# Altium PCB Board.PcbDoc (part 2 of 15)
Units mil, origin at the board's own origin, x right, y up, seen from the top; angles counter-clockwise.
Board outline 6379.64 x 4143.89 mil, 4 copper layers (Top Layer, GND, VCC, Bottom Layer); 316 components, 199 nets, 1077 pads, 596 vias.
Unrouted connection lines stored in the file: 268.
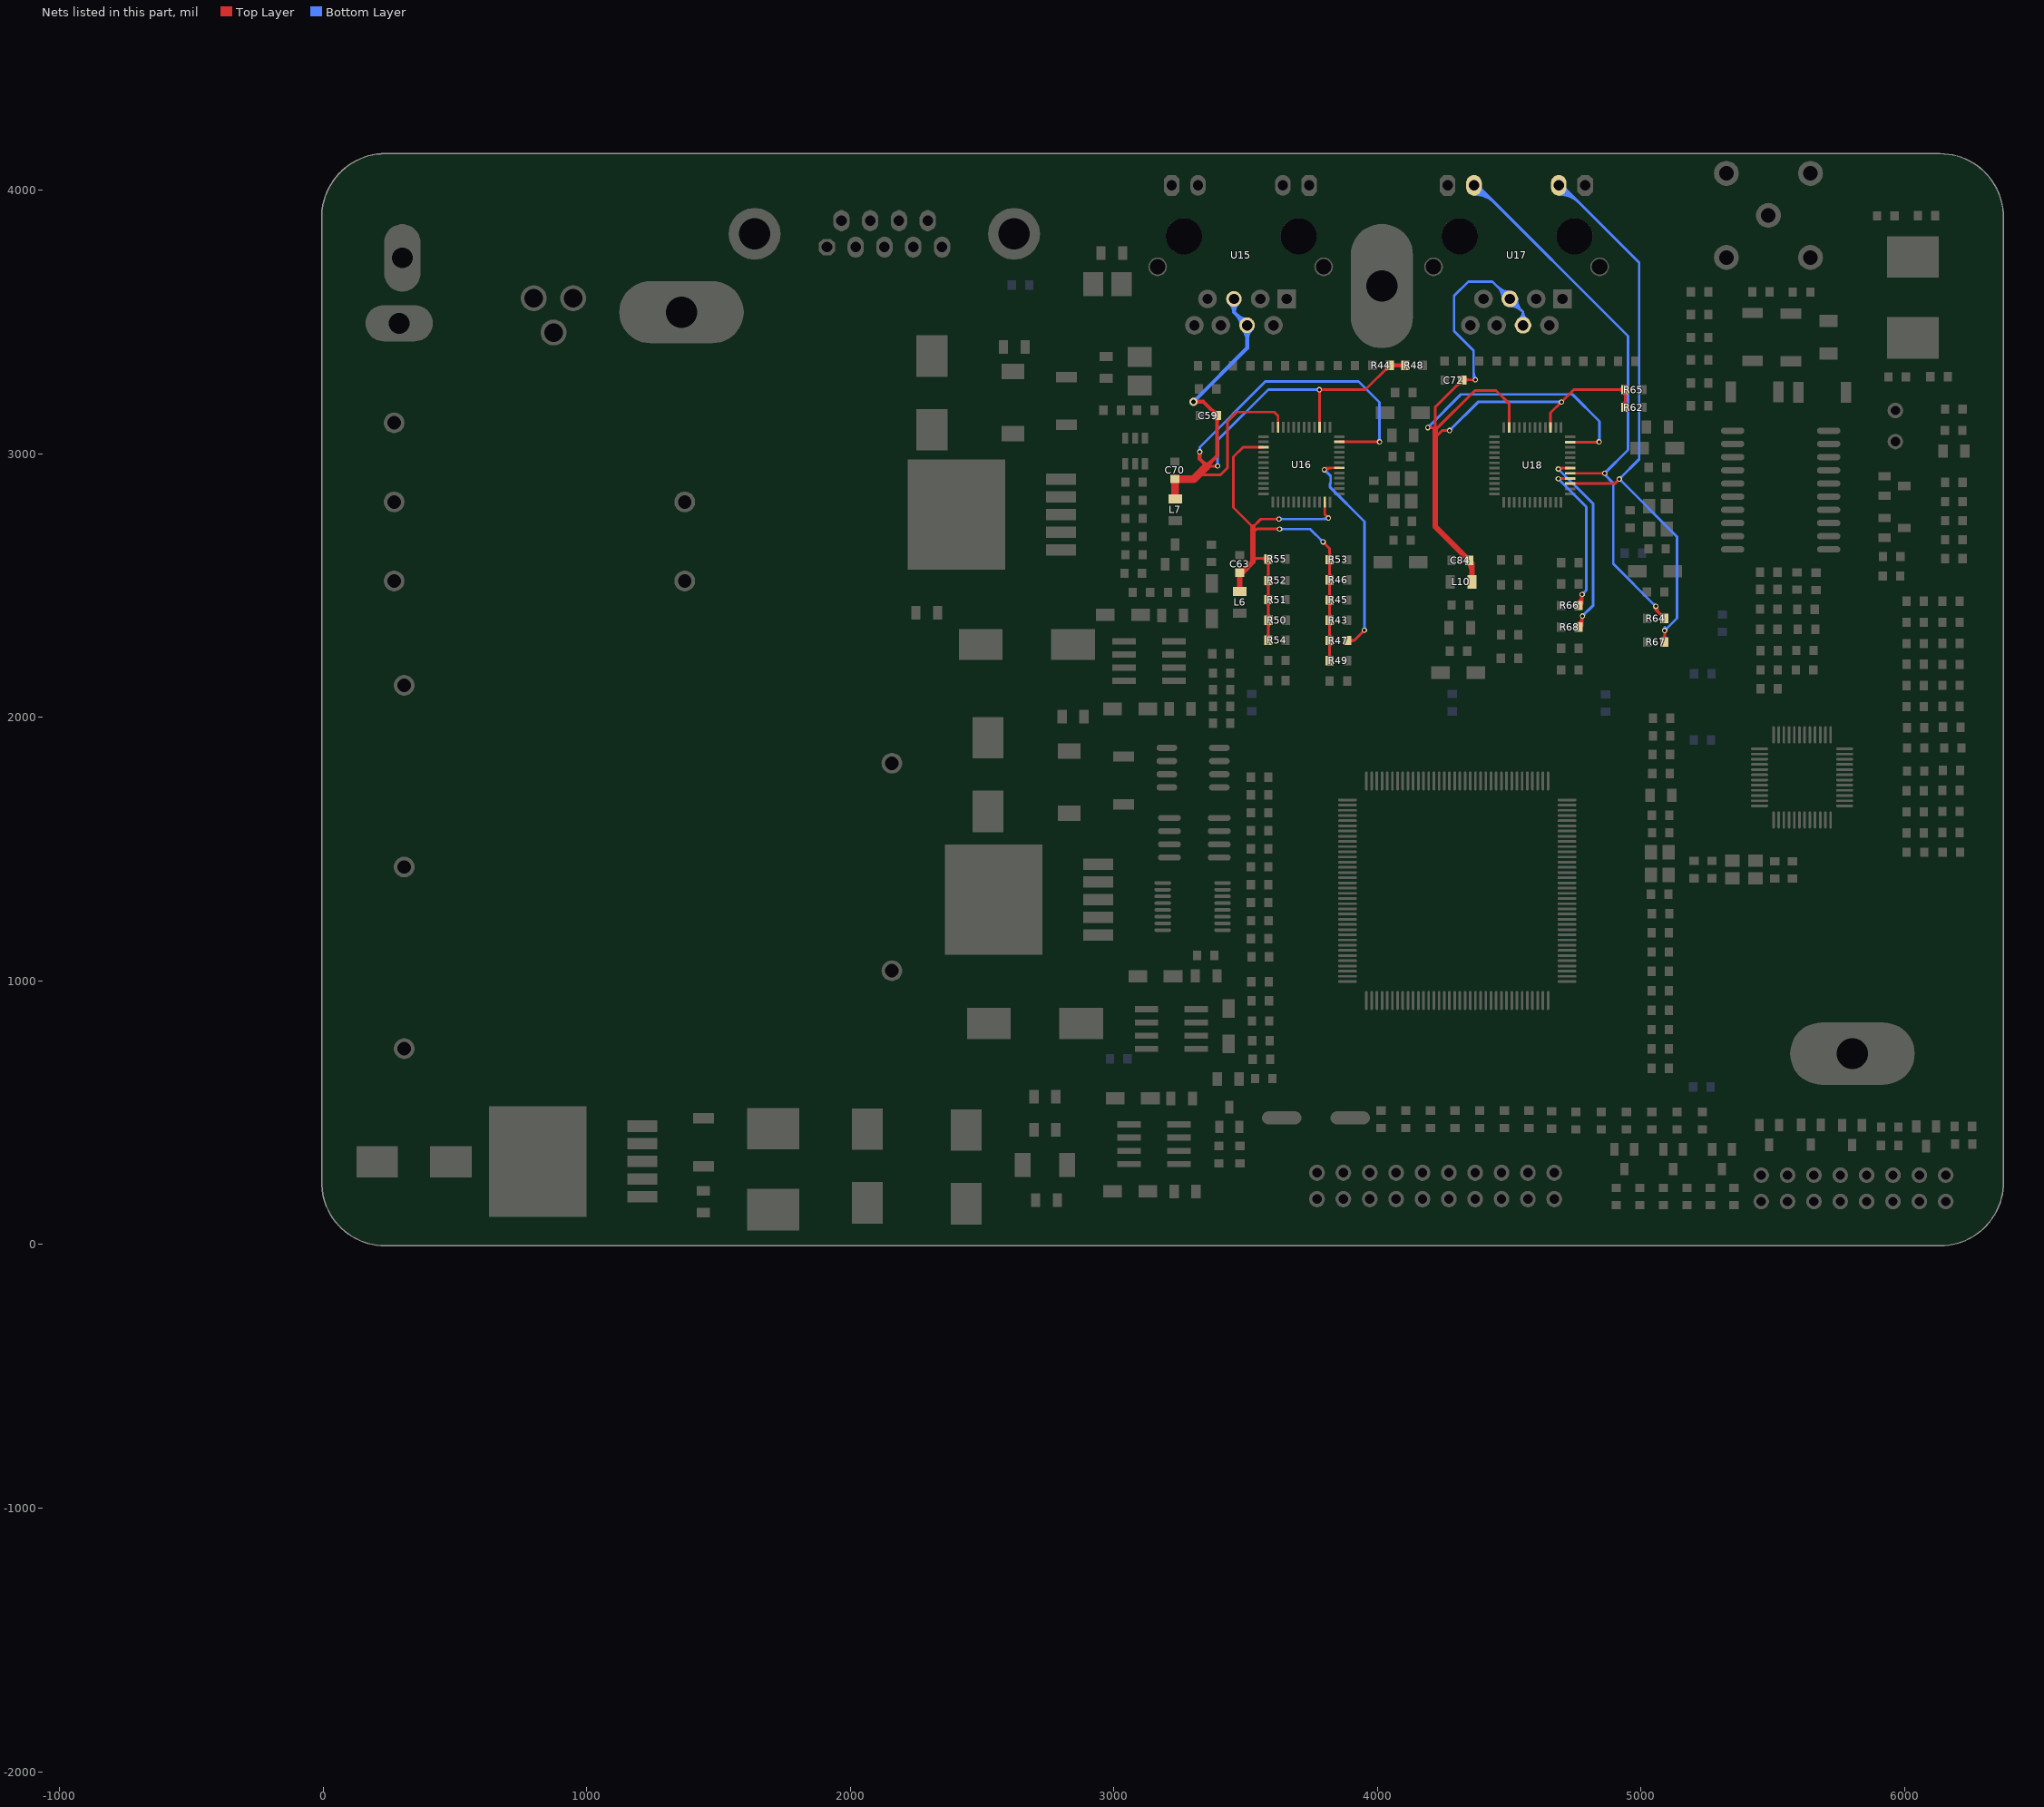
[diagram p3: the nets of this part, all layers, seen from the top]

## Via types
v1: diameter 20, hole 12, Top Layer to Bottom Layer, 590 vias
v2: diameter 30, hole 17, Top Layer to Bottom Layer, 6 vias

## Nets (pads, with @x,y where several pads share a name; then routed paths per layer and width w, separated by ;. In a path a pad name is that pad's centre, name@x,y a point inside that pad or via, vN(x,y) a via of type N, cw(c..) or ccw(c..) an arc to the next point about the centre after c; other vN are vias at no path point) (continued)
1M3: R47.2 U16.6 | length 1182.3
  Top Layer w10: v1(3798.6,2939.45) 3806.02,2946.87 ; v1@3799.12,2944.42 ccw(c3800,2952.89) 3806.02,2946.87 ; v1@3803.57,2939.97 cw(c3812.04,2940.85) 3806.02,2946.87 ; U16.6@3855.6,2946.87 3806.02,2946.87 ; R47.2@3884.75,2291.93 3912.08,2291.93 v1(3950.6,2330.45) ; R47.2@3892.35,2284.33 cw(c3910.7,2265.98) 3910.7,2291.93 ; R47.2@3892.35,2284.33 cw(c3910.7,2265.98) 3910.7,2291.93 ; R47.2@3892.35,2284.33 cw(c3910.7,2265.98) 3910.7,2291.93 ; R47.2@3892.35,2299.53 ccw(c3910.7,2317.88) 3910.7,2291.93 ; R47.2@3892.35,2299.53 ccw(c3910.7,2317.88) 3910.7,2291.93 ; R47.2@3892.35,2299.53 ccw(c3910.7,2317.88) 3910.7,2291.93 ; 3942.06,2321.91 cw(c3950.6,2313.38) v1@3950.6,2325.45 ; 3942.06,2321.91 ccw(c3933.53,2330.45) v1@3945.6,2330.45 ; 3942.06,2321.91 cw(c3950.6,2313.38) v1@3950.6,2325.45 ; 3942.06,2321.91 ccw(c3933.53,2330.45) v1@3945.6,2330.45 ; 3942.06,2321.91 ccw(c3933.53,2330.45) v1@3945.6,2330.45 ; 3942.06,2321.91 cw(c3950.6,2313.38) v1@3950.6,2325.45 ; v1@3802.13,2935.91 cw(c3828.59,2909.46) 3828.59,2946.87 ccw(c3828.59,2909.46) v1@3802.13,2935.91
  Bottom Layer w10: v1(3798.6,2939.45) 3822.6,2915.45 3822.6,2889.92 3820.6,2887.92 3820.6,2872.99 3950.6,2742.99 v1(3950.6,2330.45) ; v1@3798.6,2934.45 cw(c3798.6,2922.38) 3807.13,2930.91 ; v1@3798.6,2934.45 cw(c3798.6,2922.38) 3807.13,2930.91 ; v1@3798.6,2934.45 cw(c3798.6,2922.38) 3807.13,2930.91 ; v1@3803.6,2939.45 ccw(c3815.67,2939.45) 3807.13,2930.91 ; v1@3803.6,2939.45 ccw(c3815.67,2939.45) 3807.13,2930.91 ; v1@3803.6,2939.45 ccw(c3815.67,2939.45) 3807.13,2930.91 ; v1@3947.06,2333.98 ccw(c3938.53,2342.52) 3950.6,2342.52 ; v1@3947.06,2333.98 ccw(c3938.53,2342.52) 3950.6,2342.52 ; v1@3947.06,2333.98 ccw(c3938.53,2342.52) 3950.6,2342.52 ; 3950.6,2342.52 ccw(c3962.67,2342.52) v1@3954.13,2333.98 ; 3950.6,2342.52 ccw(c3962.67,2342.52) v1@3954.13,2333.98 ; 3950.6,2342.52 ccw(c3962.67,2342.52) v1@3954.13,2333.98
2M0: R64.2 U17.11 U18.5 | length 3373.3
  Top Layer w10: U18.5@4731.6,2926.19 v1(4861.6,2926.19) ; v1(5055.6,2421.45) 5055.6,2408.45 R64.2@5088.6,2375.45 ; 4849.53,2926.19 cw(c4849.53,2914.12) v1@4858.06,2922.66 ; 4849.53,2926.19 ccw(c4849.53,2938.26) v1@4858.06,2929.73 ; 4849.53,2926.19 cw(c4849.53,2914.12) v1@4858.06,2922.66 ; 4849.53,2926.19 ccw(c4849.53,2938.26) v1@4858.06,2929.73 ; 4849.53,2926.19 ccw(c4849.53,2938.26) v1@4858.06,2929.73 ; 4849.53,2926.19 cw(c4849.53,2914.12) v1@4858.06,2922.66 ; v1@5050.6,2421.45 ccw(c5069.91,2421.45) 5056.26,2407.79 ; v1@5050.6,2421.45 ccw(c5069.91,2421.45) 5056.26,2407.79 ; v1@5050.6,2421.45 ccw(c5069.91,2421.45) 5056.26,2407.79 ; v1@5052.06,2417.91 cw(c5043.53,2409.38) 5055.6,2409.38 ; v1@5052.06,2417.91 cw(c5043.53,2409.38) 5055.6,2409.38 ; v1@5052.06,2417.91 cw(c5043.53,2409.38) 5055.6,2409.38 ; v1@5052.06,2417.91 cw(c5043.53,2409.38) 5055.6,2409.38 ; v1@5052.06,2417.91 cw(c5043.53,2409.38) 5055.6,2409.38 ; 5055.6,2409.38 cw(c5067.67,2409.38) v1@5059.13,2417.91 ; 5055.6,2409.38 cw(c5067.67,2409.38) v1@5059.13,2417.91 ; 5055.6,2409.38 cw(c5067.67,2409.38) v1@5059.13,2417.91 ; 5055.6,2409.38 cw(c5067.67,2409.38) v1@5059.13,2417.91 ; 5055.6,2409.38 cw(c5067.67,2409.38) v1@5059.13,2417.91 ; v1@5060.6,2421.45 ccw(c5104.05,2421.45) R64.2@5073.33,2390.72 ; v1@5060.6,2421.45 ccw(c5104.05,2421.45) R64.2@5073.33,2390.72 ; v1@5060.6,2421.45 ccw(c5104.05,2421.45) R64.2@5073.33,2390.72 ; 5066.89,2397.16 ccw(c5088.6,2418.87) R64.2@5088.6,2388.17 ; 5066.89,2397.16 ccw(c5088.6,2418.87) R64.2@5088.6,2388.17 ; 5066.89,2397.16 ccw(c5088.6,2418.87) R64.2@5088.6,2388.17 ; 5071.64,2392.4 cw(c5056.65,2377.42) R64.2@5077.85,2377.42 ; 5071.64,2392.4 cw(c5056.65,2377.42) R64.2@5077.85,2377.42 ; 5071.64,2392.4 cw(c5056.65,2377.42) R64.2@5077.85,2377.42
  Bottom Layer w10: U17.11@4366.06,4018.5 4378.54,4018.5 4950.6,3446.45 4950.6,3015.19 v1(4861.6,2926.19) 4861.6,2921.45 4894.6,2888.45 4894.6,2582.45 v1(5055.6,2421.45) ; U17.11@4366.06,3984.13 cw(c4366.06,3871.03) 4446.04,3951.01 ; U17.11@4366.06,3984.13 cw(c4366.06,3871.03) 4446.04,3951.01 ; U17.11@4366.06,3984.13 cw(c4366.06,3871.03) 4446.04,3951.01 ; U17.11@4366.06,3994.13 cw(c4366.06,3905.17) 4428.97,3968.08 ; U17.11@4366.06,3994.13 cw(c4366.06,3905.17) 4428.97,3968.08 ; U17.11@4366.06,3994.13 cw(c4366.06,3905.17) 4428.97,3968.08 ; U17.11@4366.06,4004.13 cw(c4366.06,3939.31) 4411.9,3985.15 ; U17.11@4366.06,4004.13 cw(c4366.06,3939.31) 4411.9,3985.15 ; U17.11@4366.06,4004.13 cw(c4366.06,3939.31) 4411.9,3985.15 ; v1@4861.6,2931.19 ccw(c4861.6,2943.26) 4870.13,2934.73 ; v1@4861.6,2931.19 ccw(c4861.6,2943.26) 4870.13,2934.73 ; v1@4861.6,2931.19 ccw(c4861.6,2943.26) 4870.13,2934.73 ; v1@4866.6,2926.19 cw(c4878.67,2926.19) 4870.13,2934.73 ; v1@4866.6,2926.19 ccw(c4890.12,2926.19) 4873.49,2909.56 ; v1@4866.6,2926.19 cw(c4878.67,2926.19) 4870.13,2934.73 ; v1@4866.6,2926.19 ccw(c4890.12,2926.19) 4873.49,2909.56 ; v1@4866.6,2926.19 ccw(c4890.12,2926.19) 4873.49,2909.56 ; v1@4866.6,2926.19 cw(c4878.67,2926.19) 4870.13,2934.73 ; 5047.06,2429.98 cw(c5038.53,2421.45) v1@5050.6,2421.45 ; 5047.06,2429.98 ccw(c5055.6,2438.52) v1@5055.6,2426.45 ; 5047.06,2429.98 cw(c5038.53,2421.45) v1@5050.6,2421.45 ; 5047.06,2429.98 ccw(c5055.6,2438.52) v1@5055.6,2426.45 ; 5047.06,2429.98 ccw(c5055.6,2438.52) v1@5055.6,2426.45 ; 5047.06,2429.98 cw(c5038.53,2421.45) v1@5050.6,2421.45
2M1: R66.2 U18.4 | length 1068
  Top Layer w10: v1(4685.6,2905.45) 4686.66,2906.51 U18.4@4731.6,2906.51 ; R66.2@4762.6,2424.65 4776.6,2438.65 v1(4776.6,2466.45) ; v1@4772.27,2463.95 cw(c4761.81,2457.91) 4773.47,2454.79 cw(c4785.13,2451.67) v1@4779.1,2462.12 ; v1@4689.13,2901.91 cw(c4700.22,2890.83) 4700.22,2906.51 ; v1@4689.13,2901.91 cw(c4700.22,2890.83) 4700.22,2906.51 ; v1@4689.13,2901.91 cw(c4700.22,2890.83) 4700.22,2906.51 ; R66.2@4757.84,2436.25 ccw(c4742.92,2466.45) v1(4776.6,2466.45) ; R66.2@4757.84,2436.25 ccw(c4742.92,2466.45) v1(4776.6,2466.45) ; R66.2@4757.84,2436.25 ccw(c4742.92,2466.45) v1(4776.6,2466.45) ; R66.2@4762.27,2427.29 ccw(c4750.87,2450.35) 4776.6,2450.35 ; R66.2@4762.27,2427.29 ccw(c4750.87,2450.35) 4776.6,2450.35 ; R66.2@4762.27,2427.29 ccw(c4750.87,2450.35) 4776.6,2450.35 ; R66.2@4766.7,2418.32 ccw(c4758.82,2434.26) R66.2@4776.6,2434.26 ; R66.2@4766.7,2418.32 ccw(c4758.82,2434.26) R66.2@4776.6,2434.26 ; R66.2@4766.7,2418.32 ccw(c4758.82,2434.26) R66.2@4776.6,2434.26 ; v1@4773.06,2462.91 cw(c4764.53,2454.38) 4776.6,2454.38 ; v1@4773.06,2462.91 cw(c4764.53,2454.38) 4776.6,2454.38 ; v1@4773.06,2462.91 cw(c4764.53,2454.38) 4776.6,2454.38 ; 4776.6,2454.38 cw(c4788.67,2454.38) v1@4780.13,2462.91 ; 4776.6,2454.38 cw(c4788.67,2454.38) v1@4780.13,2462.91 ; 4776.6,2454.38 cw(c4788.67,2454.38) v1@4780.13,2462.91
  Bottom Layer w10: v1(4685.6,2905.45) 4792.6,2798.45 4792.6,2482.45 v1(4776.6,2466.45) ; v1@4685.6,2900.45 cw(c4685.6,2888.38) 4694.13,2896.91 ; v1@4685.6,2900.45 cw(c4685.6,2888.38) 4694.13,2896.91 ; v1@4685.6,2900.45 cw(c4685.6,2888.38) 4694.13,2896.91 ; v1@4690.6,2905.45 ccw(c4702.67,2905.45) 4694.13,2896.91 ; v1@4690.6,2905.45 ccw(c4702.67,2905.45) 4694.13,2896.91 ; v1@4690.6,2905.45 ccw(c4702.67,2905.45) 4694.13,2896.91 ; v1@4776.6,2471.45 ccw(c4776.6,2483.52) 4785.13,2474.98 ; v1@4776.6,2471.45 ccw(c4776.6,2483.52) 4785.13,2474.98 ; v1@4776.6,2471.45 ccw(c4776.6,2483.52) 4785.13,2474.98 ; v1@4781.6,2466.45 cw(c4793.67,2466.45) 4785.13,2474.98 ; v1@4781.6,2466.45 cw(c4793.67,2466.45) 4785.13,2474.98 ; v1@4781.6,2466.45 cw(c4793.67,2466.45) 4785.13,2474.98
2M2: R67.2 U17.10 U18.3 | length 3224.6
  Top Layer w10: U18.3@4731.6,2886.82 4899.97,2886.82 v1(4917.6,2904.45) ; R67.2@5088.6,2286.45 5089.6,2287.45 v1(5089.6,2329.45) ; 4909.06,2895.91 cw(c4917.6,2887.38) v1@4917.6,2899.45 ; 4909.06,2895.91 ccw(c4900.53,2904.45) v1@4912.6,2904.45 ; 4909.06,2895.91 cw(c4917.6,2887.38) v1@4917.6,2899.45 ; 4909.06,2895.91 ccw(c4900.53,2904.45) v1@4912.6,2904.45 ; 4909.06,2895.91 ccw(c4900.53,2904.45) v1@4912.6,2904.45 ; 4909.06,2895.91 cw(c4917.6,2887.38) v1@4917.6,2899.45 ; R67.2@5081,2296.02 ccw(c5060.24,2316.78) 5089.6,2316.78 ; R67.2@5081,2296.02 ccw(c5060.24,2316.78) 5089.6,2316.78 ; R67.2@5081,2296.02 ccw(c5060.24,2316.78) 5089.6,2316.78 ; v1@5086.06,2325.91 cw(c5077.53,2317.38) 5089.6,2317.38 ; v1@5086.06,2325.91 cw(c5077.53,2317.38) 5089.6,2317.38 ; v1@5086.06,2325.91 cw(c5077.53,2317.38) 5089.6,2317.38 ; 5089.6,2311.95 ccw(c5112.13,2311.95) R67.2@5096.2,2296.02 ; 5089.6,2311.95 ccw(c5112.13,2311.95) R67.2@5096.2,2296.02 ; 5089.6,2311.95 ccw(c5112.13,2311.95) R67.2@5096.2,2296.02 ; 5089.6,2317.38 cw(c5101.67,2317.38) v1@5093.13,2325.91 ; 5089.6,2317.38 cw(c5101.67,2317.38) v1@5093.13,2325.91 ; 5089.6,2317.38 cw(c5101.67,2317.38) v1@5093.13,2325.91
  Bottom Layer w10: U17.10@4687.72,4018.5 4699.54,4018.5 4992.6,3725.45 4992.6,2979.45 v1(4917.6,2904.45) 5136.6,2685.45 5136.6,2376.45 v1(5089.6,2329.45) ; v1@5089.6,2334.45 ccw(c5089.6,2346.52) 5098.13,2337.98 ccw(c5106.67,2329.45) v1@5094.6,2329.45 ; U17.10@4687.72,3984.13 cw(c4687.72,3872.6) 4766.58,3951.47 ; U17.10@4687.72,3984.13 cw(c4687.72,3872.6) 4766.58,3951.47 ; U17.10@4687.72,3984.13 cw(c4687.72,3872.6) 4766.58,3951.47 ; U17.10@4687.72,3994.13 cw(c4687.72,3906.74) 4749.51,3968.54 ; U17.10@4687.72,3994.13 cw(c4687.72,3906.74) 4749.51,3968.54 ; U17.10@4687.72,3994.13 cw(c4687.72,3906.74) 4749.51,3968.54 ; U17.10@4687.72,4004.13 cw(c4687.72,3940.89) 4732.44,3985.61 ; U17.10@4687.72,4004.13 cw(c4687.72,3940.89) 4732.44,3985.61 ; U17.10@4687.72,4004.13 cw(c4687.72,3940.89) 4732.44,3985.61 ; v1@4917.6,2899.45 cw(c4917.6,2887.38) 4926.13,2895.91 ; v1@4917.6,2899.45 cw(c4917.6,2887.38) 4926.13,2895.91 ; v1@4917.6,2899.45 cw(c4917.6,2887.38) 4926.13,2895.91 ; v1@4917.6,2909.45 ccw(c4917.6,2921.52) 4926.13,2912.98 ; v1@4917.6,2909.45 ccw(c4917.6,2921.52) 4926.13,2912.98 ; v1@4917.6,2909.45 ccw(c4917.6,2921.52) 4926.13,2912.98 ; v1@4922.6,2904.45 ccw(c4934.67,2904.45) 4926.13,2895.91 ; v1@4922.6,2904.45 cw(c4934.67,2904.45) 4926.13,2912.98 ; v1@4922.6,2904.45 ccw(c4934.67,2904.45) 4926.13,2895.91 ; v1@4922.6,2904.45 cw(c4934.67,2904.45) 4926.13,2912.98 ; v1@4922.6,2904.45 cw(c4934.67,2904.45) 4926.13,2912.98 ; v1@4922.6,2904.45 ccw(c4934.67,2904.45) 4926.13,2895.91 ; 5089.6,2341.52 cw(c5077.53,2341.52) 5086.06,2332.98 ccw(c5077.53,2341.52) 5089.6,2341.52 ; 5089.6,2341.52 ccw(c5101.67,2341.52) 5093.13,2332.98 cw(c5101.67,2341.52) 5089.6,2341.52
2M3: R68.2 U18.6 | length 1217.4
  Top Layer w10: v1(4685.6,2942.45) 4689.02,2945.87 U18.6@4731.6,2945.87 ; R68.2@4762.6,2343.25 4777.6,2358.25 v1(4777.6,2384.45) ; v1@4773.27,2381.95 cw(c4762.81,2375.91) 4774.47,2372.79 cw(c4786.13,2369.67) v1@4780.1,2380.12 ; R68.2@4758.32,2355.08 ccw(c4745.59,2384.45) v1(4777.6,2384.45) ; R68.2@4758.32,2355.08 ccw(c4745.59,2384.45) v1(4777.6,2384.45) ; R68.2@4758.32,2355.08 ccw(c4745.59,2384.45) v1(4777.6,2384.45) ; R68.2@4762.3,2345.9 ccw(c4752.19,2369.21) 4777.6,2369.21 ; R68.2@4762.3,2345.9 ccw(c4752.19,2369.21) 4777.6,2369.21 ; R68.2@4762.3,2345.9 ccw(c4752.19,2369.21) 4777.6,2369.21 ; R68.2@4766.28,2336.73 ccw(c4758.8,2353.98) R68.2@4777.6,2353.98 ; R68.2@4766.28,2336.73 ccw(c4758.8,2353.98) R68.2@4777.6,2353.98 ; R68.2@4766.28,2336.73 ccw(c4758.8,2353.98) R68.2@4777.6,2353.98 ; v1@4774.06,2380.91 cw(c4765.53,2372.38) 4777.6,2372.38 ; v1@4774.06,2380.91 cw(c4765.53,2372.38) 4777.6,2372.38 ; v1@4774.06,2380.91 cw(c4765.53,2372.38) 4777.6,2372.38 ; 4777.6,2372.38 cw(c4789.67,2372.38) v1@4781.13,2380.91 ; 4777.6,2372.38 cw(c4789.67,2372.38) v1@4781.13,2380.91 ; 4777.6,2372.38 cw(c4789.67,2372.38) v1@4781.13,2380.91 ; v1@4689.13,2938.91 cw(c4705.93,2922.12) 4705.93,2945.87 ccw(c4705.93,2922.12) v1@4689.13,2938.91
  Bottom Layer w10: v1(4685.6,2942.45) 4818.6,2809.45 4818.6,2425.45 v1(4777.6,2384.45) ; v1@4685.6,2937.45 cw(c4685.6,2925.38) 4694.13,2933.91 ; v1@4685.6,2937.45 cw(c4685.6,2925.38) 4694.13,2933.91 ; v1@4685.6,2937.45 cw(c4685.6,2925.38) 4694.13,2933.91 ; v1@4690.6,2942.45 ccw(c4702.67,2942.45) 4694.13,2933.91 ; v1@4690.6,2942.45 ccw(c4702.67,2942.45) 4694.13,2933.91 ; v1@4690.6,2942.45 ccw(c4702.67,2942.45) 4694.13,2933.91 ; v1@4777.6,2389.45 ccw(c4777.6,2401.52) 4786.13,2392.98 ; v1@4777.6,2389.45 ccw(c4777.6,2401.52) 4786.13,2392.98 ; v1@4777.6,2389.45 ccw(c4777.6,2401.52) 4786.13,2392.98 ; v1@4782.6,2384.45 cw(c4794.67,2384.45) 4786.13,2392.98 ; v1@4782.6,2384.45 cw(c4794.67,2384.45) 4786.13,2392.98 ; v1@4782.6,2384.45 cw(c4794.67,2384.45) 4786.13,2392.98
3V3A1: C59.1 C70.1 L7.2 R44.2 R48.2 U15.4 U15.5 U16.11 U16.15 U16.23 | length 5731.9
  Top Layer w10: 3319.6,2920.45 3404.6,2920.45 3431.6,2947.45 3431.6,3123.45 3466.6,3158.45 3608.6,3158.45 3623.02,3144.03 U16.23@3623.02,3100.72 ; 3352.6,2953.45 v1(3393.6,2953.45) ; U16.15@3780.5,3100.72 3780.5,3242.55 v1(3779.6,3243.45) 3954.6,3243.45 R44.2@4046.6,3335.45 ; U16.11@3855.6,3045.31 4007.46,3045.31 v1(4007.6,3045.45) ; 3381.53,2953.45 cw(c3381.53,2941.38) v1@3390.06,2949.91 ; 3381.53,2953.45 ccw(c3381.53,2965.52) v1@3390.06,2956.98 ; 3381.53,2953.45 cw(c3381.53,2941.38) v1@3390.06,2949.91 ; 3381.53,2953.45 ccw(c3381.53,2965.52) v1@3390.06,2956.98 ; 3381.53,2953.45 ccw(c3381.53,2965.52) v1@3390.06,2956.98 ; 3381.53,2953.45 cw(c3381.53,2941.38) v1@3390.06,2949.91 ; v1@3776.06,3239.91 cw(c3765.35,3229.2) 3780.5,3229.2 ; v1@3776.06,3239.91 cw(c3765.35,3229.2) 3780.5,3229.2 ; v1@3776.06,3239.91 cw(c3765.35,3229.2) 3780.5,3229.2 ; v1@3783.13,3239.91 cw(c3791.67,3231.38) 3791.67,3243.45 ; v1@3783.13,3239.91 cw(c3791.67,3231.38) 3791.67,3243.45 ; v1@3783.13,3239.91 cw(c3791.67,3231.38) 3791.67,3243.45 ; v1@3783.13,3246.98 ccw(c3791.67,3255.52) 3791.67,3243.45 ; v1@3783.13,3246.98 ccw(c3791.67,3255.52) 3791.67,3243.45 ; v1@3783.13,3246.98 ccw(c3791.67,3255.52) 3791.67,3243.45 ; 3995.19,3045.31 ccw(c3995.19,3057.86) v1@4004.06,3048.98 ; 3995.19,3045.31 ccw(c3995.19,3057.86) v1@4004.06,3048.98 ; 3995.19,3045.31 ccw(c3995.19,3057.86) v1@4004.06,3048.98 ; 3995.87,3045.31 cw(c3995.87,3033.72) v1@4004.06,3041.91 ; 3995.87,3045.31 cw(c3995.87,3033.72) v1@4004.06,3041.91 ; 3995.87,3045.31 cw(c3995.87,3033.72) v1@4004.06,3041.91 ; 4024.89,3313.74 cw(c4046.6,3292.03) R44.2@4046.6,3322.73 ; 4024.89,3313.74 cw(c4046.6,3292.03) R44.2@4046.6,3322.73 ; 4024.89,3313.74 cw(c4046.6,3292.03) R44.2@4046.6,3322.73 ; 4029.64,3318.49 ccw(c4014.65,3333.48) R44.2@4035.85,3333.48 ; 4029.64,3318.49 ccw(c4014.65,3333.48) R44.2@4035.85,3333.48 ; 4029.64,3318.49 ccw(c4014.65,3333.48) R44.2@4035.85,3333.48
  Top Layer w15: v2(3301.6,3197.45) 3339.6,3197.45 C59.1@3391.6,3145.45 3391.6,2992.45 3352.6,2953.45 3325.6,2980.45 v1(3325.6,3007.45) ; R44.2@4046.6,3335.45 R48.2@4105.6,3335.45 ; v2@3306.9,3192.15 cw(c3319.7,3179.34) 3319.7,3197.45 ; v2@3306.9,3192.15 cw(c3319.7,3179.34) 3319.7,3197.45 ; v2@3306.9,3192.15 cw(c3319.7,3179.34) 3319.7,3197.45 ; v2@3306.9,3202.75 ccw(c3319.7,3215.56) 3319.7,3197.45 ; v2@3306.9,3202.75 ccw(c3319.7,3215.56) 3319.7,3197.45 ; v2@3306.9,3202.75 ccw(c3319.7,3215.56) 3319.7,3197.45 ; 3374.16,3162.89 ccw(c3391.6,3180.33) C59.1@3391.6,3155.67 ; 3374.16,3162.89 ccw(c3391.6,3180.33) C59.1@3391.6,3155.67 ; 3374.16,3162.89 ccw(c3391.6,3180.33) C59.1@3391.6,3155.67 ; C59.1@3378.91,3158.14 cw(c3368.19,3147.42) C59.1@3383.35,3147.42 ; C59.1@3378.91,3158.14 cw(c3368.19,3147.42) C59.1@3383.35,3147.42 ; C59.1@3378.91,3158.14 cw(c3368.19,3147.42) C59.1@3383.35,3147.42 ; C59.1@3385.77,3137.65 cw(c3371.69,3123.57) 3391.6,3123.57 ; C59.1@3385.77,3137.65 cw(c3371.69,3123.57) 3391.6,3123.57 ; C59.1@3385.77,3137.65 cw(c3371.69,3123.57) 3391.6,3123.57 ; 3391.6,3123.57 cw(c3411.51,3123.57) C59.1@3397.43,3137.65 ; 3391.6,3123.57 cw(c3411.51,3123.57) C59.1@3397.43,3137.65 ; 3391.6,3123.57 cw(c3411.51,3123.57) C59.1@3397.43,3137.65 ; R44.2@4052.43,3329.62 cw(c4066.51,3315.54) 4066.51,3335.45 ; R44.2@4052.43,3329.62 cw(c4066.51,3315.54) 4066.51,3335.45 ; R44.2@4052.43,3329.62 cw(c4066.51,3315.54) 4066.51,3335.45 ; R44.2@4052.43,3341.28 ccw(c4066.51,3355.36) 4066.51,3335.45 ; R44.2@4052.43,3341.28 ccw(c4066.51,3355.36) 4066.51,3335.45 ; R44.2@4052.43,3341.28 ccw(c4066.51,3355.36) 4066.51,3335.45 ; 4085.69,3335.45 cw(c4085.69,3315.54) R48.2@4099.77,3329.62 ; 4085.69,3335.45 ccw(c4085.69,3355.36) R48.2@4099.77,3341.28 ; 4085.69,3335.45 cw(c4085.69,3315.54) R48.2@4099.77,3329.62 ; 4085.69,3335.45 ccw(c4085.69,3355.36) R48.2@4099.77,3341.28 ; 4085.69,3335.45 ccw(c4085.69,3355.36) R48.2@4099.77,3341.28 ; 4085.69,3335.45 cw(c4085.69,3315.54) R48.2@4099.77,3329.62